# Altium PCB 板球系统51控制板.PcbDoc
Units mil, origin at the board's own origin, x right, y up, seen from the top; angles counter-clockwise.
Board outline 6000 x 4000 mil, 2 copper layers (Top Layer, Bottom Layer); 38 components, 108 nets, 287 pads, 36 vias.
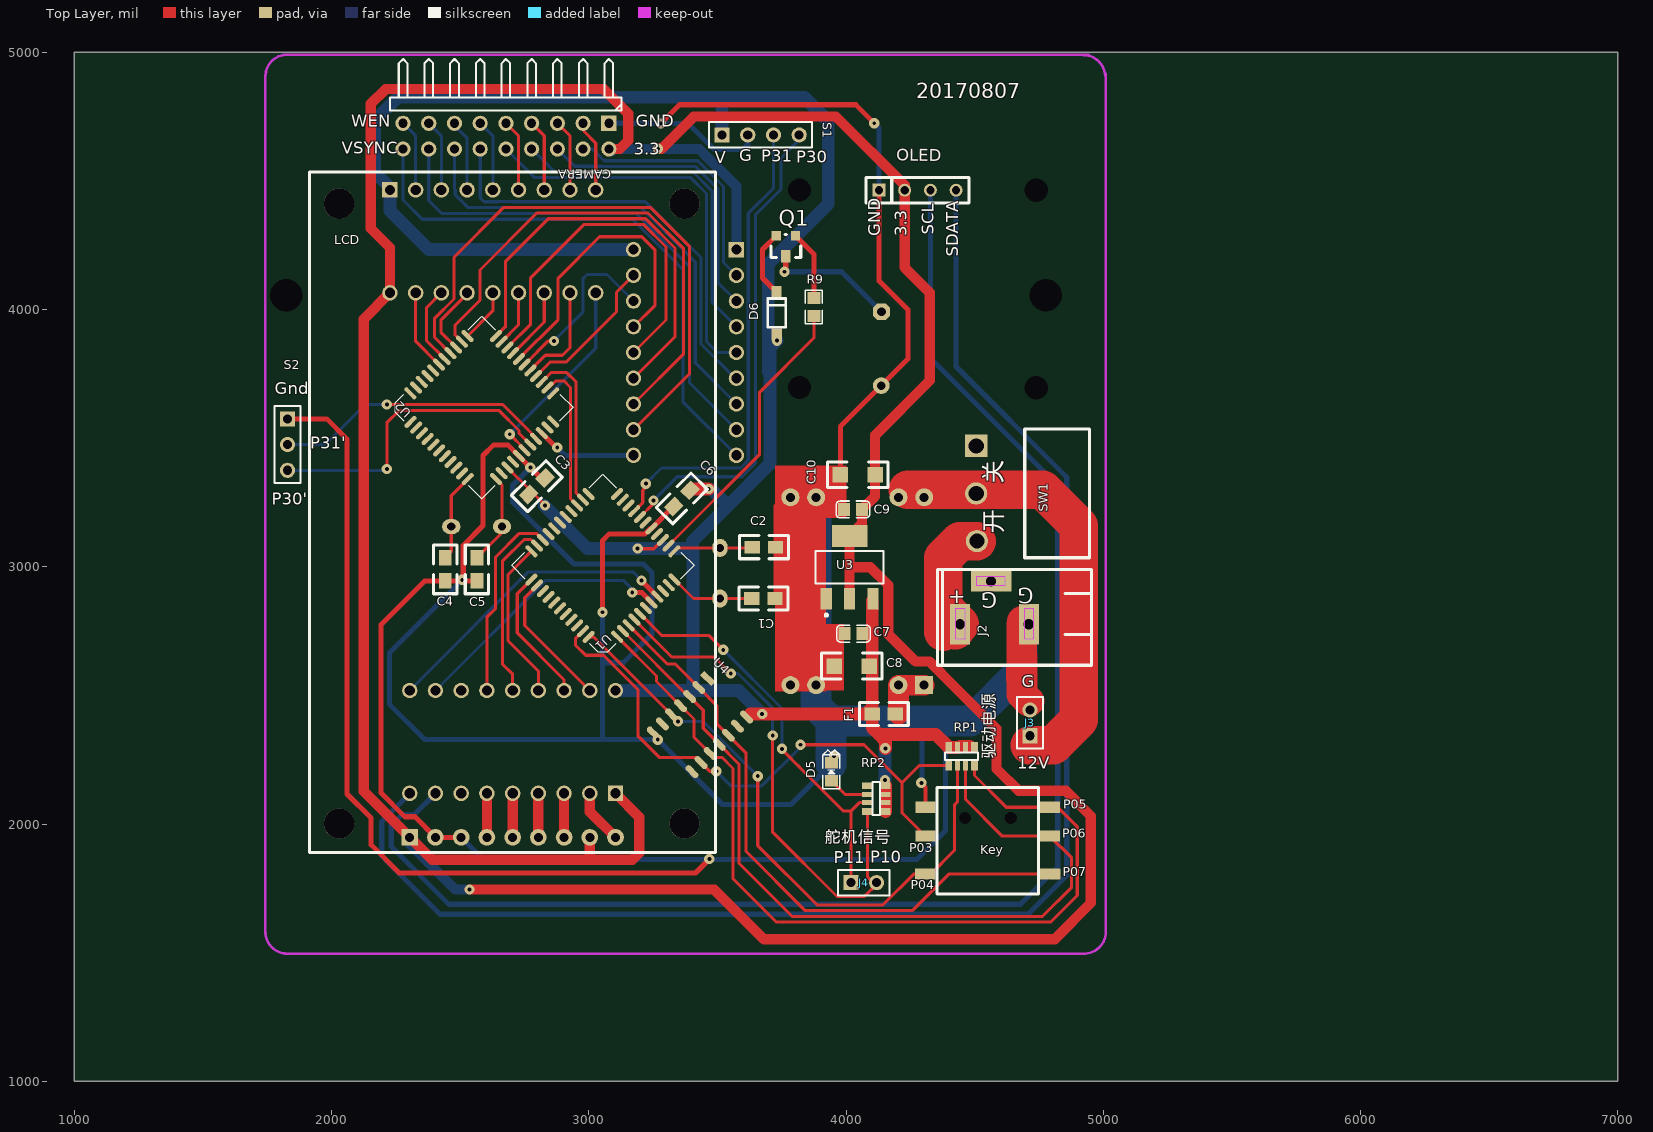
[diagram p0: Top Layer view]
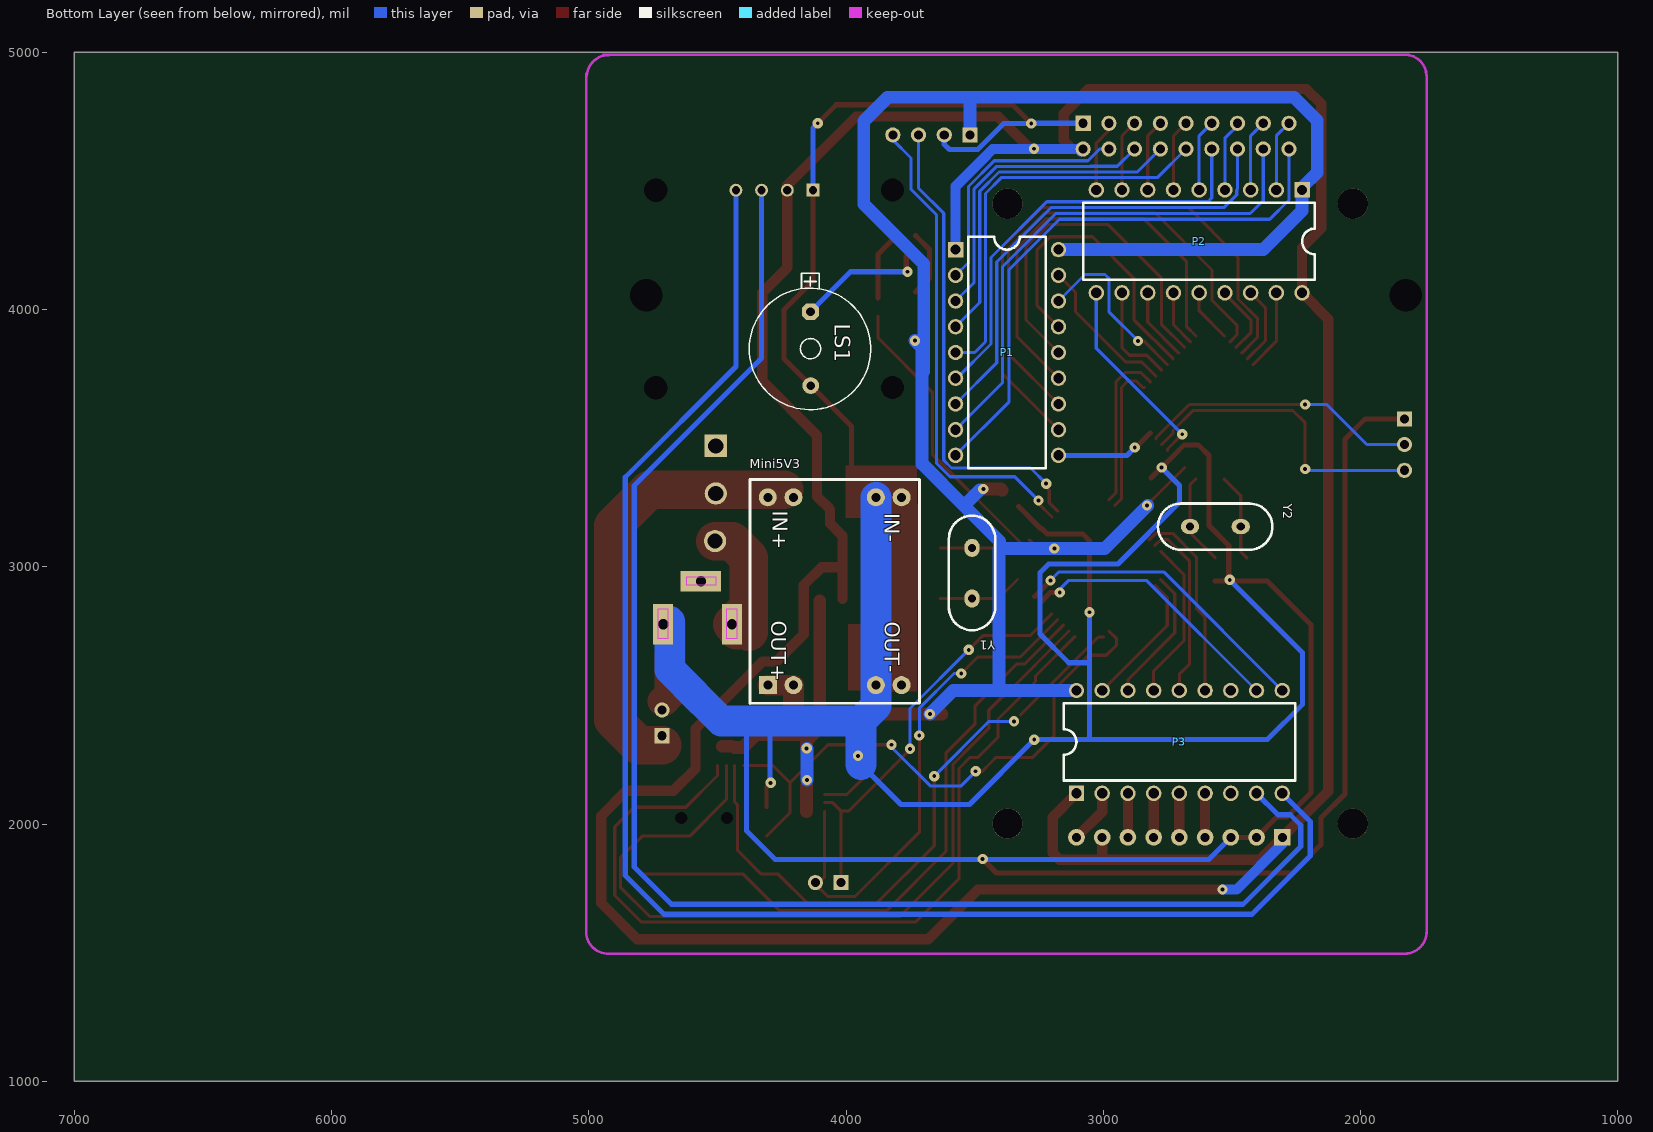
[diagram p1: Bottom Layer view, seen from below]

## Layer stack, top to bottom
Top Layer: signal copper 1.4
Dielectric: dielectric 12.6, FR-4, Dk 4.8
Bottom Layer: signal copper 1.4

## Board outline
1000,1000 7000,1000 7000,5000 1000,5000

## Design rules (kind name [scope] priority, off if disabled: settings)
Clearance [All] p1: gap=10
PlaneConnect [All] p1: planeconnectstyle=Direct reliefexpansion=20 reliefentries=4 reliefconductorwidth=10 reliefairgap=10
PolygonConnect [All] p1: connectstyle=Direct reliefconductorwidth=10 reliefentries=4 polygonreliefangle="90 Angle"
RoutingVias [All] p1: holewidth=28 width=50 viastyle="Through Hole" minholewidth=28 minwidth=50 maxholewidth=28 maxwidth=50
SilkToSilkClearance [All] p1 off: silktosilkclearance=10
SilkscreenOverComponentPads [All] p1 off: minsilkscreentomaskgap=10
SolderMaskExpansion [All] p1 off: expansion=4
TestPointUsage [All] p1: valid=0 allowmultiple=FALSE
Testpoint [All] p1: side=15 testpointundercomponent=TRUE minsize=40 maxsize=100 preferedsize=60 minholesize=0 maxholesize=40 preferedholesize=32 testpointgrid=1 style=1023 order=0123456789
Width [All] p1: maxlimit=150 minlimit=10 preferedwidth=10
21 further rules are at their usual default settings.

## Components (designator, comment, footprint, x,y, rotation, side; value= is the part's Value field where it differs from the comment)
C1 "47pF" 0805 3724,2877 r180 top
C2 "47pF" 0805 3726,3076 r180 top
C3 "0.1uF" 0805 2830,3345 r225 top
C4 "47pF" 0805 2442,2945 r90 top
C5 "47pF" 0805 2565,2945 r90 top
C6 "0.1uF" 0805 3330,3234 r45 top
C7 "Cap" 0805_C 4029,2740 r0 top
C8 "107pF" 1206 4090,2614 r180 top
C9 "Cap" 0805_C 4027,3223 r0 top
C10 "107pF" 1206 4113,3358 r180 top
CAMERA "Header 18X2" HDR2X9H 3078,4724 r180 top
D5 "LEDred" 0805_LED_S4 3943,2203 r270 top
D6 "1N4148" SOD-123 3731,3903 r180 top
F1 "Fuse 2" 0805 4192,2428 r180 top
J2 "Header 3" Power 4443,2776 r180 top
J3 "Header 2" HDR1X2 4715,2343 r90 top
J4 "Header 2" HDR1X2 4019,1772 r0 top
Key "Header 3X2A" Key5D 4309,2065 r0 top
LCD "2.2LED" 2.2LCD 2304,1948 r0 top
LS1 "Beep" BUFFER-12 4138,3848 r270 bottom
Mini5V3 "5V电源模块" Mini5Vpower 4304,2540 r90 bottom
OLED "Header 4" sip4 4128,4464 r0 top
P1 "3.3V-5V_8" 3.3V-5V_8 3574,4233 r180 bottom
P2 "3.3V-5V_8" 3.3V-5V_8 2227,4465 r270 bottom
P3 "3.3V-5V_8" 3.3V-5V_8 3104,2119 r90 bottom
Q1 "9012" SOT23 3804,4287 r180 top
R9 "Res1" 0805_R 3875,4010 r270 top
RP1 "10K" R0603_8P4R 4399,2228 r90 top
RP2 "10K" R0603_8P4R 4083,2149 r0 top
S1 "Header 4" HDR1X4 3518,4679 r0 top
S2 "Header 3" HDR1X3 1829,3575 r270 top
SW1 "SW-SPDT" switch2 4506,3470 r270 top
U1 "STC15F2K60S2_QFP44" LQFP44G 3102,2735 r225 top
U2 "STC15F2K60S2_QFP44" LQFP44G 2314,3572 r135 top
U3 "1117-3.3V" SOT223 4014,2998 r0 top
U4 "CD4068" sop14N 3463,2566 r315 top
Y1 "11.0592M" XTAL1 3510,2975 r270 bottom
Y2 "11.0592M" XTAL1 2564,3156 r180 bottom

## Footprints (in the part's own frame and the unit in brackets; to place one, negate y for a bottom-side part, rotate by r counter-clockwise, add the part's x,y. Pads: shape width x height; smd on the part's side, far side on the other; paste and mask are expansions set on the pad)
2.2LCD [mil]
  round 118.11 hole 118.11: 0(-274.4,53.79) 0(-274.4,2463.36) 0(1068.19,2463.36) 0(1068.32,54.01)
  rect 65x65 hole 35: 1(0,0)
  round 65 hole 35: 2(100,0) 3(200,0) 4(300,0) 5(400,0) 6(500,0) 7(600,0) 8(700,0) 9(800,0)
  silkscreen extent -389,-59 1189,2587
3.3V-5V_8 [mil]
  rect 60x60 hole 40: 1(0,0)
  round 60 hole 40: 2(0,-100) 3(0,-200) 4(0,-300) 5(0,-400) 6(0,-500) 7(0,-600) 8(0,-700) 9(0,-800) 10(400,-800) 11(400,-700) 12(400,-600) 13(400,-500) 14(400,-400) 15(400,-300) 16(400,-200) 17(400,-100) 18(400,0)
  silkscreen extent 50,-850 350,50
0805 [mil]
  rect 60x50 smd: 1(0,0) 2(90,0)
  silkscreen extent -50,-45 140,45
0805_C [mm]
  rect 1.16x1.27 smd: 1(-0.89,0) 2(0.89,0)
  silkscreen extent -1.67,-0.83 1.67,0.83, body extent -1,-0.62 1,0.63, height 0.77
0805_LED_S4 [mm]
  rect 1.16x1.27 smd: 1(0.89,0) 2(-0.89,0)
  silkscreen extent -2.16,-0.83 1.67,0.83, body extent -1.01,-0.63 1.01,0.62, height 1.1
0805_R [mm]
  rect 1.16x1.27 smd: 1(-0.89,0) 2(0.89,0)
  silkscreen extent -1.67,-0.83 1.67,0.83, body extent -1,-0.62 1,0.63, height 0.77
1206 [mil]
  rect 60x60 smd: 1(0,0) 2(135,0)
  silkscreen extent -50,-50 185,50
BUFFER-12 [mm]
  oct 1.65x1.65 hole 0.85: 1(-3.65,0)
  round 1.65 hole 0.85: 2(3.65,0.025)
  silkscreen extent -7.44,-6.05 6.02,5.95
HDR1X2 [mm] "Connector; Header; 2 Position"
  rect 1.5x1.5 hole 0.9: 1(0,0)
  round 1.5 hole 0.9: 2(2.54,0)
  silkscreen extent -1.27,-1.27 3.81,1.27
HDR1X3 [mm] "Connector; Header; 3 Position"
  rect 1.5x1.5 hole 0.9: 1(0,0)
  round 1.5 hole 0.9: 2(2.54,0) 3(5.08,0)
  silkscreen extent -1.27,-1.27 6.35,1.27
HDR1X4 [mm] "Connector; Header; 4 Position"
  rect 1.5x1.5 hole 0.9: 1(0,0)
  round 1.5 hole 0.9: 2(2.54,0) 3(5.08,0) 4(7.62,0)
  silkscreen extent -1.27,-1.27 8.89,1.27
HDR2X9H [mm] "Connector; Header; 9x2 Position; Right Angle"
  rect 1.5x1.5 hole 0.9: 1(0,0)
  round 1.5 hole 0.9: 2(0,2.54) 3(2.54,0) 4(2.54,2.54) 5(5.08,0) 6(5.08,2.54) 7(7.62,0) 8(7.62,2.54) 9(10.16,0) 10(10.16,2.54) 11(12.7,0) 12(12.7,2.54) 13(15.24,0) 14(15.24,2.54) 15(17.78,0) 16(17.78,2.54) 17(20.32,0) 18(20.32,2.54)
  silkscreen extent -1.27,-6.35 21.59,-1.27
Key5D [mm]
  rect 2x1.1 smd: 1(0,0) 2(0,-2.85) 3(-0.025,-6.6) 4(12.286,0) 5(12.286,-2.85) 6(12.311,-6.6)
  round 1 hole 1.2: 7(3.918,-1.05) 8(8.418,-1.05)
  silkscreen extent 1.14,-8.55 11.14,1.95
LQFP44G [mm]
  oval 0.45x1.5 smd: 1(-0.026,0.279) 2(-0.826,0.279) 3(-1.626,0.279) 4(-2.426,0.279) 5(-3.226,0.279) 6(-4.026,0.279) 7(-4.826,0.279) 8(-5.626,0.279) 9(-6.426,0.279) 10(-7.226,0.279) 11(-8.026,0.279) 23(-8,-11.679) 24(-7.2,-11.679) 25(-6.4,-11.679) 26(-5.6,-11.679) 27(-4.8,-11.679) 28(-4,-11.679) 29(-3.2,-11.679) 30(-2.4,-11.679) 31(-1.6,-11.679) 32(-0.8,-11.679) 33(0,-11.679)
  oval 1.5x0.45 smd: 12(-9.979,-1.7) 13(-9.979,-2.5) 14(-9.979,-3.3) 15(-9.979,-4.1) 16(-9.979,-4.9) 17(-9.979,-5.7) 18(-9.979,-6.5) 19(-9.979,-7.3) 20(-9.979,-8.1) 21(-9.979,-8.9) 22(-9.979,-9.7) 34(1.979,-9.7) 35(1.979,-8.9) 36(1.979,-8.1) 37(1.979,-7.3) 38(1.979,-6.5) 39(1.979,-5.7) 40(1.979,-4.9) 41(1.979,-4.1) 42(1.979,-3.3) 43(1.979,-2.5) 44(1.979,-1.7)
  silkscreen extent -10.38,-12.08 2.37,0.68
Mini5Vpower [mil]
  rect 70x70 hole 35: 1(0,0)
  round 70 hole 35: 2(0,-100) 3(0,-420) 4(0,-520) 5(730,0) 6(730,-100) 7(730,-420) 8(730,-520)
  silkscreen extent -71,-590 800,69
Power [mil]
  rect 78.74x157.48 hole 40: 1(0,0) 3(-268,0)
  rect 157.48x78.74 hole 40: 2(-121,-168)
  Keep-Out Layer region: -287,-60 -250,-60 -250,56 -287,56
  Keep-Out Layer region: -176,-186 -63,-186 -63,-153 -176,-153
  Keep-Out Layer region: -20,-60 19,-60 19,56 -20,56
  silkscreen extent -512,-214 88,159
R0603_8P4R [mil]
  rect 40x25.59 smd: 1(0,0) 2(70,0)
  rect 40x19.68 smd: 3(0,-34.5) 4(70,-34.5) 5(0,-65.99) 6(70,-65.99)
  rect 40x25.79 smd: 7(0,-100.49) 8(70,-100.49)
  silkscreen extent 20,-114 50,14
sip4 [mil]
  rect 50x50 hole 32: 1(0,0)
  round 50 hole 32: 2(100,0) 3(200,0) 4(300,0)
  silkscreen extent -50,-50 350,50
SOD-123 [mm]
  rect 1x1.2 smd: 1(0,0) 2(0.025,-4.191)
  silkscreen extent -0.89,-3.55 0.91,-0.71
sop14N [mil]
  rect 61x24 smd: 1(0,0)
  oval 61x24 smd: 2(0,-50) 3(0,-100) 4(0,-150) 5(0,-200) 6(0,-250) 7(0,-300) 8(212.6,-300) 9(212.6,-250) 10(212.6,-200) 11(212.6,-150) 12(212.6,-100) 13(212.6,-50) 14(212.6,0)
SOT23 [mil]
  rect 36x36 smd: 1(0,0) 2(75,0)
  rect 36x50 smd: 3(38,80)
  silkscreen extent -20,-5 95,85
SOT223 [mm] "SOT-223/SC-73; 4 Leads; Body 6.7 x 7.3 mm, inc. leads (LxW max)"
  rect 1.1x2.15 smd: 1(-2.3,-3.1) 2(0,-3.1) 3(2.3,-3.1)
  rect 3.5x2.15 smd: 4(0,3.1)
  silkscreen extent -3.35,-4.85 3.35,1.63
switch2 [mm]
  rect 2.2x2.2 hole 1.5: 1(0,0)
  round 2.2 hole 1.5: 2(4.7,0) 3(9.4,0.076)
  silkscreen extent -1.65,4.8 11.05,11.2
XTAL1 [mm]
  oval 1.8x1.5 hole 0.8: 1(-2.5,0) 2(2.5,0)
  silkscreen extent -5.68,-2.29 5.63,2.29

## Part data
C1 C2 C3 C4 C5 C6: library part Cap, "Capacitor"
C7 C9: "Capacitor"
C8 C10: library part "Cap Pol1", "Polarized Capacitor (Radial)"
CAMERA: library part "Header 9X2", "Header, 9-Pin, Dual row"
D5: library part LED0, "Typical INFRARED GaAs LED"
D6: "Diode"
F1: "Fuse"
J2 S2: "Header, 3-Pin"
J3 J4: "Header, 2-Pin"
Key: "Header, 3-Pin, Dual row"
LS1: library part SPEAKER
Mini5V3: library part "Header 4X2A", "Header, 4-Pin, Dual row"
OLED S1: "Header, 4-Pin"
R9: "Resistor"
RP1 RP2: library part "Header 4X2", "Header, 4-Pin, Dual row"
SW1: "SPDT Subminiature Toggle Switch, Right Angle Mounting, Vertical Actuation"
U3: library part "Header 4", "Header, 4-Pin"
Y1 Y2: library part XTAL, "Crystal Oscillator"

## Free pads (board coordinates)
  round 102.36 hole 125.98: 0(1824.24,4055) 0(4777,4055)
  round 78.74 hole 90.55: 10(3819,3697.28) 10(3819,4465) 10(4740,3696.28) 10(4740,4464)

## Via types
v1: diameter 40, hole 15, Top Layer to Bottom Layer, 36 vias

## Nets (pads, with @x,y where several pads share a name; then routed paths per layer and width w, separated by ;. In a path a pad name is that pad's centre, name@x,y a point inside that pad or via, vN(x,y) a via of type N, cw(c..) or ccw(c..) an arc to the next point about the centre after c; other vN are vias at no path point)
3.3V: C9.2 C10.1 CAMERA.2 LCD.1 LCD.8 OLED.2 P1.1 P2.18 P3.1 U3.2 U3.4 | length 14043
  Top Layer w40: v1(2536,1745) 3488,1745 3681,1552 4811,1552 4952,1693 4952,2031 4854,2129 4671,2129 4585,2215 4585,2371 4369,2587 4369,2587.43 4324.43,2632 4270,2632 4164,2738 4164,2929 4095,2998 4014,2998 ; 2944,1861 3012,1861 ; 2953,1861 2391,1861 LCD.1 2125,2127 2125,3963 P2.18 2227,4241 2153,4315 2153,4800 2210,4857 3058,4857 3154,4761 3154,4657 3121,4624 CAMERA.2 ; LCD.8 3004,1869 3012,1861 ; P3.1 3196,2027 3196,1888 3169,1861 3012,1861 ; v1(3269,4625) 3283,4625 3408,4750 3961,4750 4228,4483 OLED.2 4228,4163 4326,4065 4326,3724 4113,3511 C10.1 4113,3273.96 C9.2 4062.04,3168.09 U3.4 4014,2998 ; U3.2 4014,2998
  Bottom Layer w40: LCD.1 2304,1923 2482,1745 v1(2536,1745) ; CAMERA.2@3087,4615 CAMERA.2 3429.09,4624 3471.09,4582 3574,4479.09 P1.1
5V: C3.2 C6.2 C7.2 C8.1 D6.1 F1.2 P1.18 P2.1 P3.18 RP1.2 RP1.4 RP1.6 RP1.8 RP2.2 RP2.4 RP2.6 RP2.8 S1.1 U1.14 U2.14 U3.3 U4.14 | length 9355.8
  Top Layer w12: U2.14 2777.37,3292.37 v1@2823,3246.74 ; v1@3190,3070 3253.26,3070 U1.14
  Top Layer w15: U4.14 U4.14@3628,2415.67 ; F1.2@4089.67,2415.67 F1.2
  Top Layer w50: C6.2 3398,3302 v1(3466,3302) ; 3628,2428 v1(3674,2428) F1.2 ; F1.2@4090,2440 F1.2 ; U3.3@4102,2866.4 F1.2 ; RP2.8 RP2.6 RP2.4 RP2.2 ; v1(4153,2294) 4153,2323 4128,2348 ; RP1.4 RP1.2 4349,2348 4128,2348 ; 4444.98,2302 4479.48,2302 ; F1.2 4102,2374 4128,2348
  Bottom Layer w50: v1@2827,3238 2994,3071 v1(3190,3071) 3403,3071 ; P3.18 3405,2519 ; P1.18 2378,4233 2227,4384 P2.1 2227,4474 2168,4533 2168,4735 2258,4825 3838,4825 3931,4732 3931,4410 3698,4177 3698,3759 ; 3405,3071 3405,3069 ; v1@3480,3298 3540.99,3237.01 ; S1.1 3518,4820 ; v1(3674,2428) 3583,2519 3405,2519 ; v1(3732,3879) 3704,3851 3704,3400.02 3540.99,3237.01 ; v1(4152,2171) v1@4152,2293 ; 3403,3071 3403,3099.02 3540.99,3237.01 ; 3403,3071 3405,3069 ; 3405,2519 3405,3069
  other v1: 2830,3238
5VIN: F1.1 Mini5V3.1 Mini5V3.2 | length 214
  Top Layer w80: F1.1@4204,2426 Mini5V3.2 Mini5V3.1
12V: J2.1 SW1.3 | length 544.4
  Top Layer w150: 4378,2748 4378,2839 ; J2.1@4419,2760 J2.1@4425,2754 ; J2.1 4380,2839 4378,2839 ; SW1.3 4443,3099.92 4378,3034.92 4378,2839
12VOUT: J3.1 Mini5V3.5 Mini5V3.6 SW1.2 | length 1706.4
  Top Layer w150: 4241,3299 4329,3299 4412.96,3299 4765,3299 4905,3159 4905,2406 4805,2306 4715,2306
B: Q1.1 R9.1 | length 271.4
  Top Layer w20: Q1.1 3875,4216 R9.1
C: LS1.1 Q1.3 | length 503.4
  Top Layer w20: v1(3761,4147) 3766,4152 Q1.3
  Bottom Layer w20: v1(3761,4147) 3982.7,4147 LS1.1
E: D6.2 Q1.2 | length 264.1
  Top Layer w20: Q1.2 3675,4233 3675,4123 D6.2
"FIFO D0": CAMERA.7 P2.7 | length 279.3
  Top Layer w12: CAMERA.7 2827,4675 P2.7
"FIFO D1": CAMERA.10 P1.5 | length 1561
  Bottom Layer w12: CAMERA.10 2789.53,4512.47 3396.37,4512.47 3458,4450.84 3458,3875 3500,3833 P1.5
"FIFO D2": CAMERA.9 P2.6 | length 279.3
  Top Layer w12: CAMERA.9 2727,4675 P2.6
"FIFO D3": CAMERA.12 P1.6 | length 1674.1
  Bottom Layer w12: CAMERA.12 2578,4434 2593,4419 2646.05,4419 2647.05,4420 2705.95,4420 2706.95,4419 3219,4419 3436,4202 3436,3865.89 3568.89,3733 P1.6
"FIFO D4": CAMERA.11 P2.5 | length 279.3
  Bottom Layer w12: CAMERA.11 2627,4675 P2.5
"FIFO D5": CAMERA.14 P1.7 | length 1838.7
  Bottom Layer w12: CAMERA.14 2478,4468 2481,4465 2481,4445.95 2530.95,4396 3203,4396 3414,4185 3414,3793 P1.7
"FIFO D6": CAMERA.13 P2.4 | length 279.3
  Bottom Layer w12: CAMERA.13 2478,4715.06 2523.53,4669.53 2527,4666.06 P2.4
"FIFO D7": CAMERA.16 P1.8 | length 2029.3
  Bottom Layer w12: CAMERA.16 2378,4424 2429,4373 3185,4373 3391,4167 3391,3716 3520,3587 P1.8
"FIFO OE": CAMERA.8 P1.4 | length 1335.8
  Bottom Layer w12: CAMERA.8 2867,4535 3040.39,4535 3040.92,4534.47 3405.48,4534.47 3480,4459.96 3480,4027 P1.4
"FIFO RCLK": CAMERA.15 P2.3 | length 279.3
  Bottom Layer w12: CAMERA.15 2427,4675 P2.3
"FIFO RRST": CAMERA.6 P1.3 | length 1154.1
  Bottom Layer w12: CAMERA.6 2945,4557 3049.5,4557 3050.03,4556.47 3414.6,4556.47 3502,4469.07 3502,4105 P1.3
"FIFO WEN": CAMERA.17 P2.2 | length 279.3
  Bottom Layer w12: CAMERA.17 2327,4675 P2.2
"FIFO WRST": CAMERA.4 P1.2 | length 972.3
  Bottom Layer w12: CAMERA.4 3013.61,4624 3059.14,4578.47 3423.71,4578.47 3524,4478.18 3524,4183 P1.2
GND: C1.1 C2.1 C3.1 C4.1 C5.1 C6.1 C7.1 C8.2 C9.1 C10.2 CAMERA.1 D5.2 J2.3 J3.2 Key.1 LCD.2 LCD.3 LS1.2 Mini5V3.3 Mini5V3.4 Mini5V3.7 Mini5V3.8 OLED.1 S1.2 S2.1 U1.16 U2.16 U3.1 U4.7 | length 19560.7
  Top Layer w12: C1.1 3724,3238 3756,3270 Mini5V3.8
  Top Layer w15: v1(4293,2160) 4309,2144 Key.1
  Top Layer w20: S2.1 1981,3575 2060,3496 2060,2117 2154,2023 2154,1919 2263,1810 3415,1810 v1(3468.93,1863.93) ; 2308,2028 2324,2028 ; LCD.3 LCD.2 2324,2028 ; C5.1 v1@2512,2945 ; C3.1@2813.82,3345 U2.16 2684.82,3474 2631,3474 2589,3432 2589,3160 2512,3083 v1@2512,2945 ; v1(3053,2823) 3053,3101 3080.01,3128.01 3218.46,3128.01 3239.66,3149.21 U1.16 C6.1@3328.18,3234 ; v1(3280,4723) 3353,4796 4038,4796 v1(4110,4724) v1@4117,4724 ; C10.2 3978,3545.3 LS1.2 4241,3808.3 4241,3999 4128,4112 OLED.1 ; 2324,2028 2285,2028 2193,2120 2193,2776 2362,2945 C4.1 v1@2512,2945
  Top Layer w120: 4682,2565 4683.14,2650.01 4684.84,2776.35 J2.3@4685,2788 ; 4683.57,2650 4683.57,2504.43 4711,2477
  Bottom Layer w20: LCD.3 2590,1862 4275,1862 4387,1974 4387,2401 ; v1(2508,2949) 2226,2667 2226,2464 2362,2328 3054,2328 ; v1(2773,3386) 2703,3316 2703,3251 2943,3011 3212,3011 3246,2977 3246,2739 3134,2627 3054,2627 ; v1@3054,2822 3054,2627 ; CAMERA.1 v1@3280,4724 ; 3159,2328 3054,2328 ; v1(3280,4723) 3386.66,4723 3487.66,4622 3598,4622 3618,4642 S1.2 ; v1(3953,2265) 3953,2242.72 3942,2231.72 3786.28,2076 3520,2076 v1(3268,2328) 3054,2328 ; v1(4110,4724) 4128,4706 OLED.1 ; v1@4295,2160 4295,2401 ; 3054,2328 3054,2627
  Bottom Layer w120: Mini5V3.7 Mini5V3.3 3884,2459 3942,2401 ; 3942,2231.72 3942,2401 ; 4625,2541 4485,2401 ; J2.3@4685,2788 4685,2601 4485,2401 ; 3942,2401 4295,2401 4387,2401 4485,2401
LCDDC: LCD.5 P3.5 | length 171
  Top Layer w40: LCD.5 P3.5
LCDRST: LCD.4 P3.6 | length 171
  Top Layer w40: LCD.4 P3.6
LCDSCK: LCD.7 P3.3 | length 171
  Top Layer w40: LCD.7 P3.3
LCDSDI: LCD.6 P3.4 | length 171
  Top Layer w40: LCD.6 P3.4
LCDSDO: LCD.9 P3.2 | length 212.4
  Top Layer w40: P3.2 3004,2048 LCD.9
NetC4_2: C4.2 U2.11 Y2.2 | length 342.1
  Top Layer w12: C4.2 2465.57,3058.57 Y2.2 2465.57,3276.71 U2.11
NetC5_2: C5.2 U2.12 Y2.1 | length 356.5
  Top Layer w12: C5.2 2662.43,3132.43 Y2.1 2662.43,3318.23 U2.12
NetD5_1: D5.1 RP2.3 | length 176.3
  Top Layer w12: D5.1@3933,2177.96 3996.46,2114.5 RP2.3
NOROUT: U4.13
OLEDCLK: OLED.3 P3.8 | length 5886.2
  Bottom Layer w20: P3.8 2321,2036 2273,2036 2232,1995 2232,1912 2456,1688 4678,1688 4823,1833 4823,3239 4823,3316 4328,3811 OLED.3
OLEDDATA: OLED.4 P3.9 | length 5949.8
  Bottom Layer w20: P3.9 2195,2010 2195,1876 2422,1649 4707,1649 4858,1800 4858,3348 4428,3778 4428,4246 OLED.4
"OV CLK": CAMERA.3 P2.9 | length 279.3
  Top Layer w12: CAMERA.3 2981.5,4720.5 2981.5,4692.5 3027,4647 P2.9
"OV DAT": CAMERA.5 P2.8 | length 279.3
  Top Layer w12: CAMERA.5 2927,4675 P2.8
"OV VSYNC": CAMERA.18 P1.9 | length 2206.4
  Bottom Layer w12: CAMERA.18 2278,4426 2353,4351 3170,4351 3367,4154 3367,3640 P1.9
P00: U1.40
P00': U2.40
P01: U1.41
P01': U2.41
P02: U1.42
P02': U2.42
P03: Key.2 RP1.1 U1.43 U4.9 | length 2263.9
  Top Layer w12: U1.43 2948,2720.19 2948,2696 2988,2656 3057,2656 3192,2521 3192,2341 3274,2259 3416.45,2259 U4.9 ; U4.9@3442.28,2233.17 U4.9 ; v1(3496,2205) 3470.45,2205 U4.9 ; v1(3823,2308) 4070,2308 4218,2160 ; Key.2 4218,2043.8 4218,2160 ; RP1.1 4286,2228 4218,2160
  Bottom Layer w12: v1(3496,2205) 3554,2147 3671,2147 3823,2299 v1(3823,2308)
P03': U2.43
P3.2: U4.1
P04: Key.3 RP1.3 U1.44 U4.5 | length 2399.3
  Top Layer w12: U1.44 3018.92,2727.23 U4.5 ; v1(3657,2186) 3657,1916 3888,1685 4014,1685 4143,1685 4263.16,1805.16 Key.3 4329.16,1805.16 4421,1897 4421,2073.45 4433.5,2085.95 RP1.3
  Bottom Layer w12: v1(3347,2399) 3444,2399 v1(3657,2186)
P04': U2.44
P05: Key.4 RP1.7 U1.1 U4.4 U4.10 | length 3384.5
  Top Layer w12: U1.1 3263,2575.45 3263,2553.87 U4.4 3409,2407.87 3409,2337.16 U4.10 3487.16,2259 3518,2259 3561,2216 3561,2104 3561,1787 3729,1619 4796,1619 4899,1722 4899,1989 4823,2065 Key.4 4623,2065 4499.49,2188.51 RP1.7
P05': U2.1
P06: Key.5 RP1.5 U1.2 U4.3 U4.11 | length 3266.7
  Top Layer w12: U1.2 U4.3@3387.7,2495.29 ; U4.3 3445,2442.58 3445,2371.87 U4.11 3584,2232.87 3584,1847 3790,1641 4764,1641 4877,1754 4877,1868.5 Key.5 4607.2,1952.8 4464.99,2095.01 RP1.5
P06': U2.2
P07: Key.6 U1.3 U4.2 U4.12 | length 2422.7
  Top Layer w12: U1.3 3305.53,2622 3336.29,2622 U4.2 3498,2460.29 3498,2389.58 U4.12 3612,2275.58 3612,1893 3842,1663 3957.77,1663 4257,1663 4399.16,1805.16 Key.6
P07': U2.3
P10: J4.2 RP2.7 U1.4 | length 2000.4
  Top Layer w12: U1.4 3323.07,2649 3488,2649 v1(3552,2585) ; v1(3715,2344) 3715,1968 3965,1718 4071,1718 4119,1766 J4.2 ; RP2.7 4083,1795 J4.2@4119,1759
  Bottom Layer w12: v1(3552,2585) 3580,2585 3715,2450 v1(3715,2344)
P11: J4.1 RP2.5 U1.5 | length 1621.4
  Top Layer w12: U1.5 3284.62,2732 3468,2732 v1(3523,2677) ; v1@3749.75,2290.75 3830.25,2210.25 ; 3810.5,2230 3830.25,2210.25 ; J4.1@4019,1764 J4.1 4019,2050 ; RP2.5 4052.01,2083.01 4019,2050 ; 3830.25,2210.25 3990.5,2050 4019,2050
  Bottom Layer w12: v1(3523,2677) 3751,2449 v1(3751,2292)
P12: P3.11 U1.7 | length 1043.7
  Top Layer w20: v1(3169,2900) 3205.7,2900 U1.7
  Bottom Layer w12: P3.11 2831,2946 3136,2946 v1@3167,2915
P13: P3.10 U1.8 | length 1192.4
  Top Layer w20: v1@3205,2945.24 U1.8
  Bottom Layer w12: P3.10 2765,2980 3172,2980 v1(3205,2947)
P14: U1.9
P15: U1.10
P16: C1.2 U1.11 Y1.2 | length 331.1
  Top Layer w12: U1.11 3407.29,2876.57 Y1.2 C1.2@3633.57,2876.57
P17: C2.2 U1.12 Y1.1 | length 287.7
  Top Layer w12: U1.12@3345.77,3073.43 Y1.1 C2.2@3633.43,3073.43
P20: U1.30
P20': P2.12 U2.30 | length 284.8
  Top Layer w12: U2.30 2827,3951.37 P2.12
P21: P3.13 U1.31 | length 765.1
  Top Layer w12: P3.13 2604,2804 2638,2838 2638,3038 2730,3130 2796.08,3130 U1.31
P21': P1.14 U2.31 | length 1418.8
  Top Layer w12: U2.31 2774,3942.92 2774,4123 2982,4331 3212.23,4331 3300,4243.23 3300,3959 P1.14
P22: P3.14 U1.32 | length 698.7
  Top Layer w12: P3.14 2704,2582 2664,2622 2664,3021 2749,3106 2775.54,3106 U1.32
P22': P2.13 U2.32 | length 217.3
  Top Layer w12: U2.32 2727,3940.46 P2.13
P23: P3.15 U1.33 | length 627.6
  Top Layer w12: U1.33 2686,2969.26 2686,2713 2804,2595 P3.15
P23': P1.13 U2.33 | length 1653
  Top Layer w12: U2.33 2677,3935 2677,4188 2842,4353 3221.34,4353 3335,4239.34 3335,3894 P1.13
P24: P3.16 U1.34 | length 529.1
  Top Layer w12: U1.34 2722,2895.07 2722,2743 2904,2561 P3.16
P24': P2.14 U2.34 | length 208.5
  Top Layer w12: U2.34 2627,3995.19 P2.14
P25: P3.17 U1.35 | length 533.4
  Top Layer w12: U1.35 2751,2879.53 2751,2772 P3.17
P25': P1.12 U2.35 | length 1955.5
  Top Layer w12: U2.35 2480,3901.53 2480,3939 2577,4036 2577,4154 2798,4375 3230.45,4375 3369,4236.45 3369,3828 P1.12
P26: U1.36
P26': P2.15 U2.36 | length 279.3
  Top Layer w12: U2.36 2425,3911.99 2425,3958.89 2527,4060.89 P2.15
P27: U1.37
P27': P1.11 U2.37 | length 2290.4
  Top Layer w12: U2.37 2401,3891.45 2401,3966 2476,4041 2476,4203 2670,4397 3239.56,4397 3392,4244.56 3392,3751 P1.11
P30: S1.4 U1.18 | length 1889.3
  Top Layer w12: U1.18 3252,3246.91 v1(3252,3258)
  Bottom Layer w12: v1(3252,3258) 3344,3350 3596,3350 3648,3402 3648,4368 3747,4467 3747,4589 3818,4660 S1.4
P30': S2.3 U2.18 | length 1206.4
  Top Layer w12: v1(2215,3380) 2215,3560 2262,3607 2651.91,3607 2729,3529.91 2729,3518.91 U2.18
  Bottom Layer w12: S2.3 2210,3375 v1(2215,3380)
P31: S1.3 U1.19 | length 1867.1
  Top Layer w12: U1.19 3210,3249.45 3210,3297 3222,3309 v1(3222,3323)
  Bottom Layer w12: v1(3222,3323) 3283,3384 3590.05,3384 3620,3413.95 3620,4374 3718,4472 S1.3
P31': S2.2 U2.19 | length 1088.1
  Top Layer w12: v1(2215,3631) 2665.11,3631 2795.03,3501.08 U2.19
  Bottom Layer w12: S2.2 1975,3475 2131,3631 v1(2215,3631)
P32: U1.20
P32': P1.10 U2.20 | length 388.6
  Top Layer w20: U2.20 v1@2873.4,3463.59
  Bottom Layer w20: v1(2877.41,3463.59) 2908,3433 P1.10
P33: U1.21
P34: U1.22
P35: U1.23
P40: U1.17
P40': P2.10 U2.17 | length 774.3
  Top Layer w12: v1(2693,3515) 2750.49,3457.51 U2.17
  Bottom Layer w12: v1(2693,3515) 3027,3849 P2.10
P41: U1.26
P41': P1.17 U2.26 | length 585.2
  Top Layer w12: U2.26 2850.11,3796.31 2912.31,3796.31 3108,3992 3108,4067 P1.17
P42: U1.27
P42': P2.11 U2.27 | length 404.5
  Top Layer w12: U2.27 2831.37,3822.12 2898.12,3822.12 2927,3851 2927,4006 P2.11
P43: U1.28
P43': P1.16 U2.28 | length 687.4
  Top Layer w12: U2.28 2842.71,3878 v1(2865,3878)
  Bottom Layer w12: v1(2865,3878) 2977,3990 2977,4120 2993,4136 3071,4136 P1.16
P44: U1.29
P44': P1.15 U2.29 | length 1185.3
  Top Layer w12: U2.29 2881,3960.83 2881,4122 3042,4283 3206,4283 3258,4231 3258,4017 P1.15 P1.15@3184,3933
P45: U1.38
P45': P2.16 U2.38 | length 310.3
  Top Layer w12: P2.16 2369,4007 2369,3878.91 U2.38
P46: U1.39
P46': P2.17 U2.39 | length 316.7
  Top Layer w12: P2.17 2327,3876.36 U2.39
P47: U1.6
P47': U2.6
P54: R9.2 U1.13 | length 1126.5
  Top Layer w12: U1.13 3663,3435.19 3663,3677 3875,3889 R9.2
P55: U1.15
RXD: U1.25 U2.24 | length 580.2
  Top Layer w12: U2.24 2846.69,3696.69 2872.5,3722.5 2903.5,3722.5 2929,3697 2929,3264.34 U1.25
SCK: U2.4
SDATA: U2.5
TXD: U1.24 U2.25 | length 632.1
  Top Layer w12: U2.25 2853.17,3754.83 2914.17,3754.83 2951,3718 2951,3286.88 U1.24
pads on no net: J2.2 Key.7 Key.8 LCD.0 P3.7 P3.12 RP2.1 SW1.1 U2.7 U2.8 U2.9 U2.10 U2.13 U2.15 U2.21 U2.22 U2.23 U4.6 U4.8

## Keep-outs
Keep-Out Layer:
  lines w10: 1743,1575.35 1743,4911.47 ; 1743,4906 cw(c1828,4906) 1822.35,4990.81 4943,4990.99 ; 1743.19,1575.35 ccw(c1828,1581) 1828,1496 4930.65,1496.19 ccw(c4925,1581) 5010,1581 ; 4923,4989 cw(c4923,4904) 5007.81,4909.65 ; 5010,1575.53 5010,4916

## Other copper
Top Layer:
  rectangle net GND: 3724,3189 4002,3393
  rectangle net GND: 3864,2519 3992,2778
  rectangle net GND: 3724,2515 3922,3288

## Silkscreen, mask and mechanical layers (free items; w line width, h text height)
Top Overlay:
  text "20170807" at 4273,4801 h100
  text "WEN" at 2076,4695 h80
  text "GND" at 3183,4695 h80
  text "VSYNC" at 2040,4591 h80
  text "3.3" at 3175,4586 h80
  text "G" at 3585,4561 h80
  text "P31" at 3670,4559 h80
  text "P30" at 3806,4555 h80
  text "V" at 3490,4554 h80
  text "SCL" at 4356,4290 h80 r90
  text "GND" at 4148,4284 h80 r90
  text "3.3" at 4251,4284 h80 r90
  text "SDATA" at 4451,4205 h80 r90
  text "Gnd" at 1779,3655 h80
  text "P31'" at 1917,3444 h80
  text "关" at 4628,3320 h118.11 r90
  text "P30'" at 1767,3225 h80
  text "开" at 4630,3129 h118.11 r90
  text "G" at 4684,2517 h80
  text "驱动电源" at 4593,2252 h80 r90
  text "12V" at 4665,2199 h80
  text "P05" at 4845,2047 h60
  text "P06" at 4841,1934 h60
  text "舵机信号" at 3918,1911 h80
  text "P03" at 4246,1878 h60
  text "P10" at 4094,1833 h80
  text "P11" at 3952,1832 h80
  text "P07" at 4842,1785 h60
  text "P04" at 4251,1734 h60

## Text inside footprints (layer, text, board x,y; h text height)
J2: Top Overlay "+" at 4465,2906 h60 r180; Top Overlay "G" at 4730,2919 h60 r180; Top Overlay "G" at 4588,2901 h60 r180
Mini5V3: Bottom Overlay "IN+" at 4305,3217 h100 r90; Bottom Overlay "OUT+" at 4311,2790 h100 r90; Bottom Overlay "OUT-" at 3868,2786 h100 r90; Bottom Overlay "IN-" at 3868,3209 h100 r90